# KiCad board panel.kicad_pcb
date: 2025-02-23; rev: v0.0.2
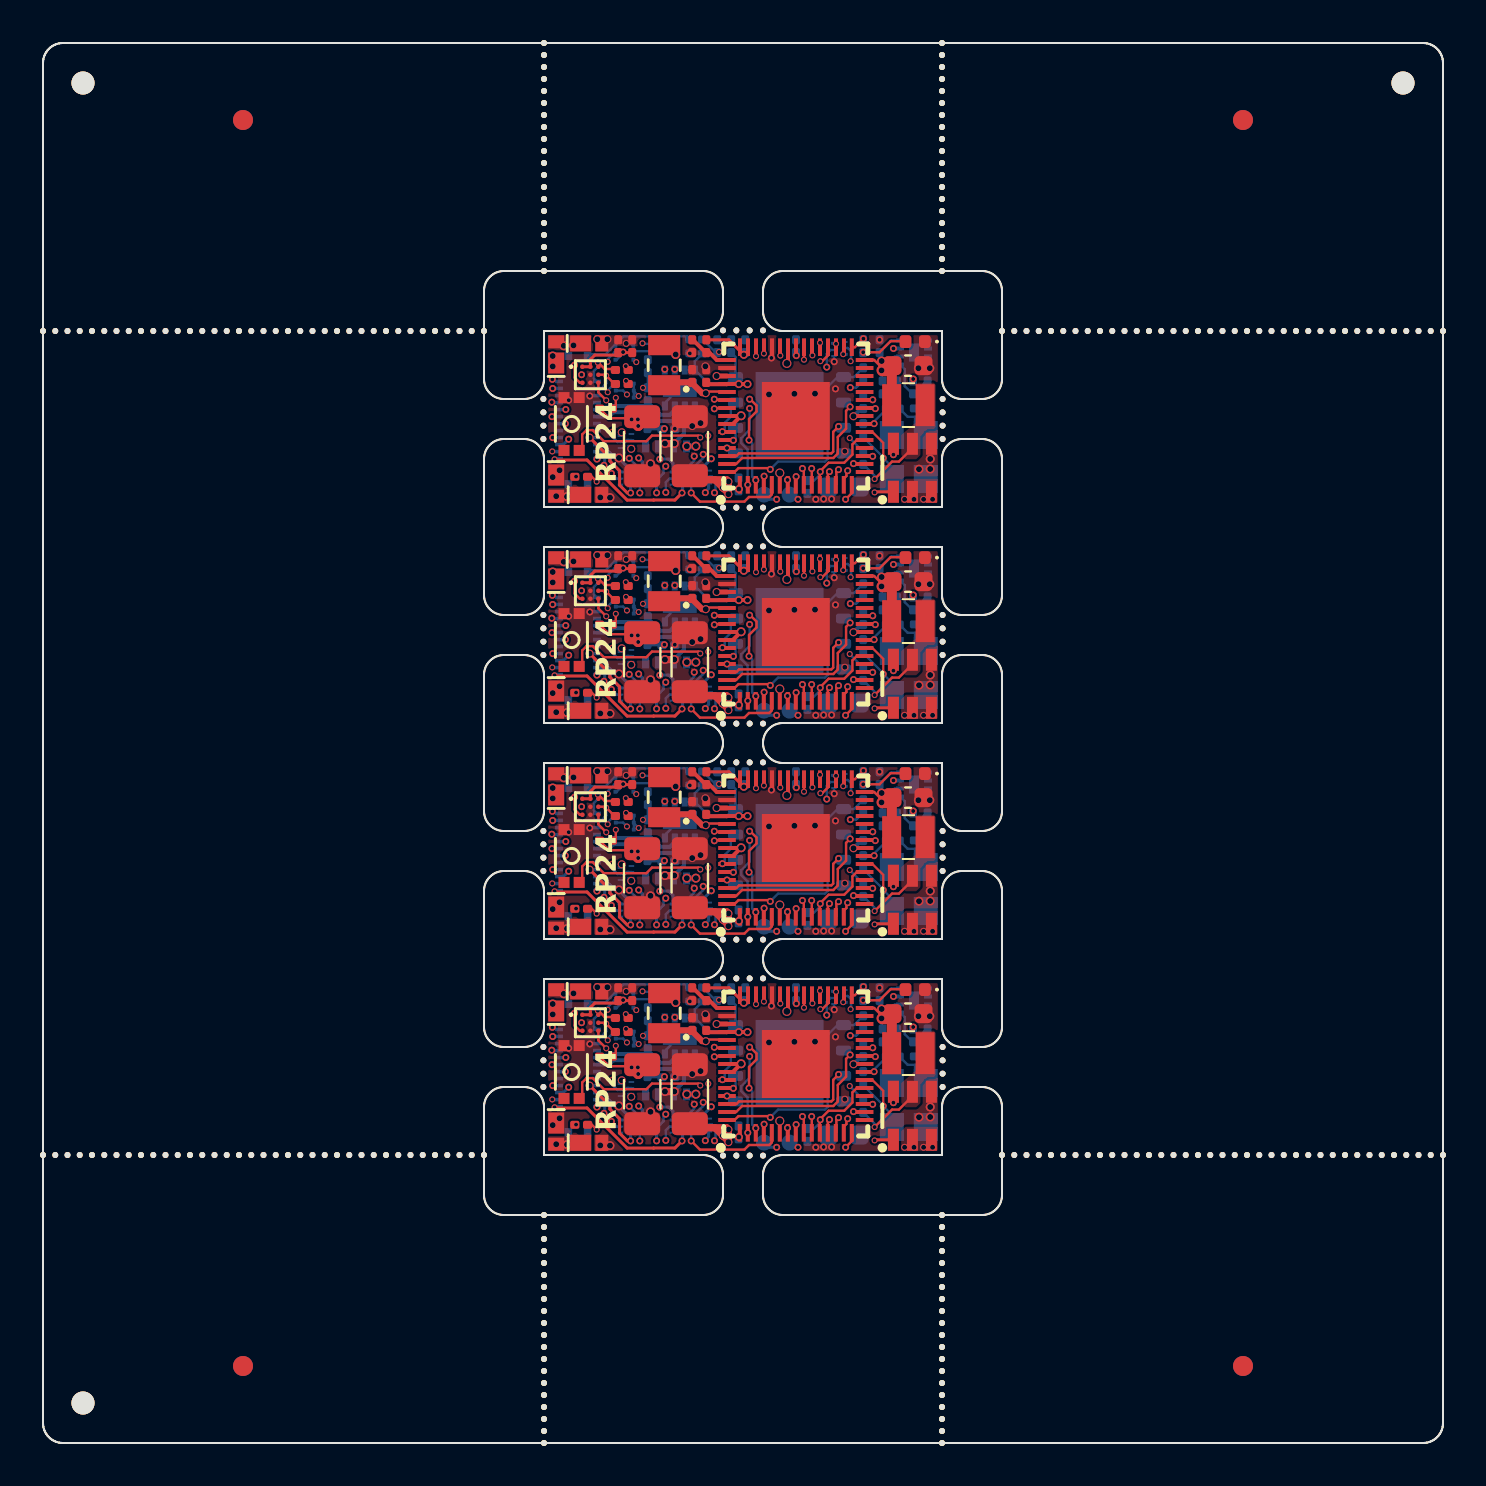
[diagram p0: board, top side]
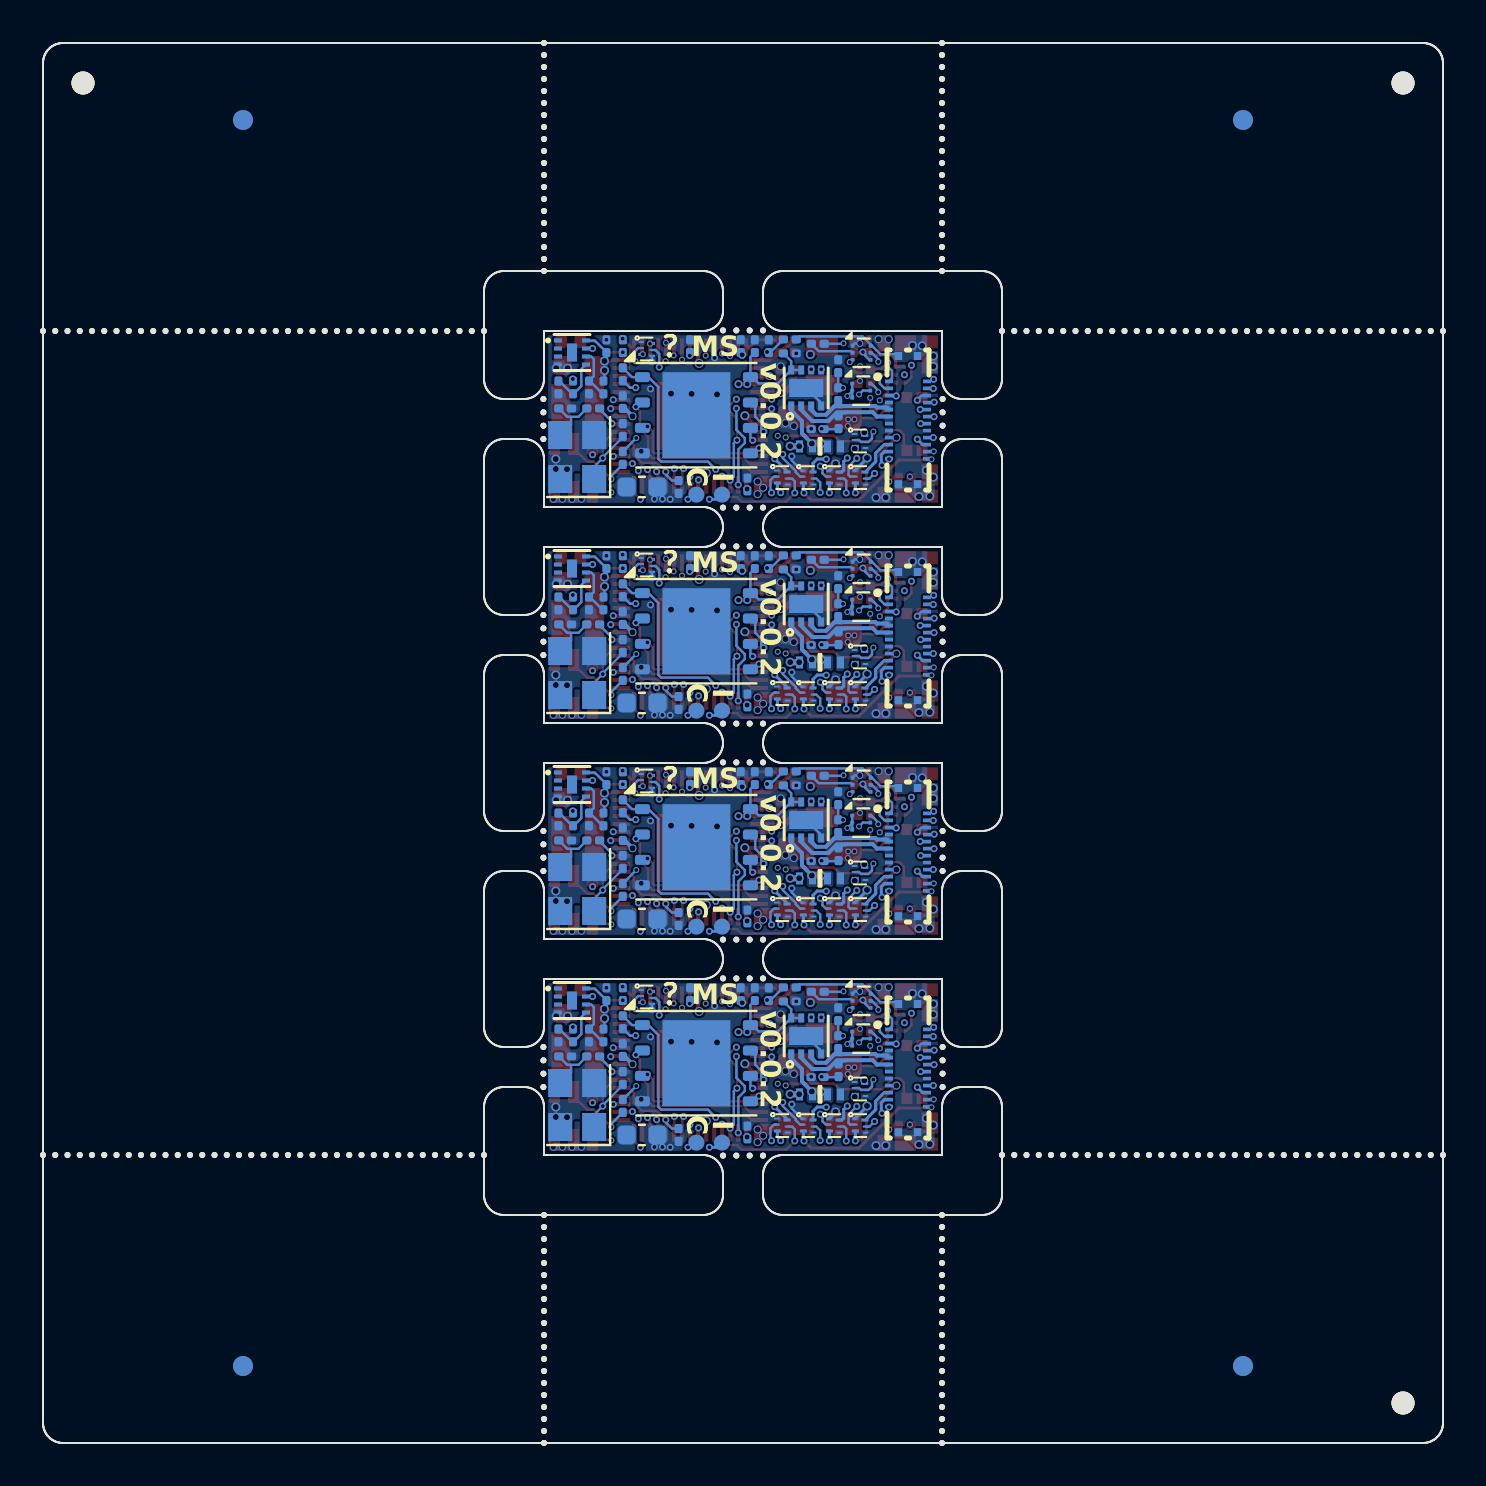
[diagram p1: board, bottom side, seen from below]

Outline 70 x 70 mm; copper layers: Top, In1.Cu, In2.Cu, In3.Cu, In4.Cu, Bottom. Coordinates in mm from the lower left corner of the outline.
Stack: Top 0.035mm / dielectric 0.1164mm JLC FR4 1x2116 er 4.16 / In1.Cu 0.0152mm / dielectric 0.13mm JLC Core er 4.6 / In2.Cu 0.0152mm / dielectric 0.2028mm JLC FR4 1x7628 er 4.4 / In3.Cu 0.0152mm / dielectric 0.13mm JLC Core er 4.6 / In4.Cu 0.0152mm / dielectric 0.1164mm JLC FR4 1x2116 er 4.16 / Bottom 0.035mm

## Placement (name value [footprint] x y rotation side)
C1  100nF  [C_0201_0603Metric]  41.83 22.44 270 bottom
C1#2  100nF  [C_0201_0603Metric]  41.83 44.04 270 bottom
C1#3  100nF  [C_0201_0603Metric]  41.83 33.24 270 bottom
C1#4  100nF  [C_0201_0603Metric]  41.83 54.84 270 bottom
C2  10uF  [C_0603_1608Metric]  40.05 15.4 180 bottom
C2#2  10uF  [C_0603_1608Metric]  40.05 26.2 180 bottom
C2#3  10uF  [C_0603_1608Metric]  40.05 37 180 bottom
C2#4  10uF  [C_0603_1608Metric]  40.05 47.8 180 bottom
C3  100nF  [C_0201_0603Metric]  34.41 44.04 90 bottom
C3#2  100nF  [C_0201_0603Metric]  34.41 22.44 90 bottom
C3#3  100nF  [C_0201_0603Metric]  34.41 33.24 90 bottom
C3#4  100nF  [C_0201_0603Metric]  34.41 54.84 90 bottom
C4  10pF  [C_0201_0603Metric]  43.89 40.93 180 bottom
C4#2  10pF  [C_0201_0603Metric]  43.89 30.13 180 bottom
C4#3  10pF  [C_0201_0603Metric]  43.89 51.73 180 bottom
C4#4  10pF  [C_0201_0603Metric]  43.89 19.33 180 bottom
C5  100nF  [C_0201_0603Metric]  41.01 27.65 270 bottom
C5#2  100nF  [C_0201_0603Metric]  41.01 38.45 270 bottom
C5#3  100nF  [C_0201_0603Metric]  41.01 16.85 270 bottom
C5#4  100nF  [C_0201_0603Metric]  41.01 49.25 270 bottom
C6  10pF  [C_0201_0603Metric]  41.01 39.85 90 bottom
C6#2  10pF  [C_0201_0603Metric]  41.01 18.25 90 bottom
C6#3  10pF  [C_0201_0603Metric]  41.01 50.65 90 bottom
C6#4  10pF  [C_0201_0603Metric]  41.01 29.05 90 bottom
C7  22uF  [C_0603_1608Metric]  43.25 32.27 0 top
C7#2  22uF  [C_0603_1608Metric]  43.25 21.47 0 top
C7#3  22uF  [C_0603_1608Metric]  43.25 43.07 0 top
C7#4  22uF  [C_0603_1608Metric]  43.25 53.87 0 top
C8  100uF  [C_1206_3216Metric]  29.96 39.04 270 top
C8#2  100uF  [C_1206_3216Metric]  29.96 49.84 270 top
C8#3  100uF  [C_1206_3216Metric]  29.96 17.44 270 top
C8#4  100uF  [C_1206_3216Metric]  29.96 28.24 270 top
C9  4.7uF  [C_0201_0603Metric]  32.46 20.95 90 top
C9#2  4.7uF  [C_0201_0603Metric]  32.46 42.55 90 top
C9#3  4.7uF  [C_0201_0603Metric]  32.46 53.35 90 top
C9#4  4.7uF  [C_0201_0603Metric]  32.46 31.75 90 top
C10  4.7uF  [C_0201_0603Metric]  33.16 53.35 270 top
C10#2  4.7uF  [C_0201_0603Metric]  33.16 20.95 270 top
C10#3  4.7uF  [C_0201_0603Metric]  33.16 31.75 270 top
C10#4  4.7uF  [C_0201_0603Metric]  33.16 42.55 270 top
C11  100nF  [C_0201_0603Metric]  41.01 30.44 90 bottom
C11#2  100nF  [C_0201_0603Metric]  41.01 19.64 90 bottom
C11#3  100nF  [C_0201_0603Metric]  41.01 41.24 90 bottom
C11#4  100nF  [C_0201_0603Metric]  41.01 52.04 90 bottom
C12  100nF  [C_0201_0603Metric]  37.65 33.24 90 bottom
C12#2  100nF  [C_0201_0603Metric]  37.65 54.84 90 bottom
C12#3  100nF  [C_0201_0603Metric]  37.65 22.44 90 bottom
C12#4  100nF  [C_0201_0603Metric]  37.65 44.04 90 bottom
C13  100nF  [C_0201_0603Metric]  34.78 15.53 90 bottom
C13#2  100nF  [C_0201_0603Metric]  34.78 37.13 90 bottom
C13#3  100nF  [C_0201_0603Metric]  34.78 26.33 90 bottom
C13#4  100nF  [C_0201_0603Metric]  34.78 47.93 90 bottom
C14  4.7uF  [C_0201_0603Metric]  32.46 22.44 270 top
C14#2  4.7uF  [C_0201_0603Metric]  32.46 44.04 270 top
C14#3  4.7uF  [C_0201_0603Metric]  32.46 54.84 270 top
C14#4  4.7uF  [C_0201_0603Metric]  32.46 33.24 270 top
C15  100nF  [C_0201_0603Metric]  35.11 33.24 90 bottom
C15#2  100nF  [C_0201_0603Metric]  35.11 44.04 90 bottom
C15#3  100nF  [C_0201_0603Metric]  35.11 54.84 90 bottom
C15#4  100nF  [C_0201_0603Metric]  35.11 22.44 90 bottom
C16  100nF  [C_0201_0603Metric]  38.22 15.4 270 bottom
C16#2  100nF  [C_0201_0603Metric]  38.22 26.2 270 bottom
C16#3  100nF  [C_0201_0603Metric]  38.22 37 270 bottom
C16#4  100nF  [C_0201_0603Metric]  38.22 47.8 270 bottom
C17  47uF  [C_1206_3216Metric]  32.34 49.84 90 top
C17#2  47uF  [C_1206_3216Metric]  32.34 17.44 90 top
C17#3  47uF  [C_1206_3216Metric]  32.34 28.24 90 top
C17#4  47uF  [C_1206_3216Metric]  32.34 39.04 90 top
C18  4.7uF  [C_0201_0603Metric]  28.76 44.04 90 top
C18#2  4.7uF  [C_0201_0603Metric]  28.76 54.84 90 top
C18#3  4.7uF  [C_0201_0603Metric]  28.76 33.24 90 top
C18#4  4.7uF  [C_0201_0603Metric]  28.76 22.44 90 top
C19  4.7uF  [C_0201_0603Metric]  29.46 54.84 90 top
C19#2  4.7uF  [C_0201_0603Metric]  29.46 44.04 90 top
C19#3  4.7uF  [C_0201_0603Metric]  29.46 33.24 90 top
C19#4  4.7uF  [C_0201_0603Metric]  29.46 22.44 90 top
C20  100nF  [C_0201_0603Metric]  32.66 32.88 180 bottom
C20#2  100nF  [C_0201_0603Metric]  32.66 43.68 180 bottom
C20#3  100nF  [C_0201_0603Metric]  32.66 54.48 180 bottom
C20#4  100nF  [C_0201_0603Metric]  32.66 22.08 180 bottom
D1  LMBR4020H3T5G  [U-DFN1608-2_L1.6-W0.8-RD]  27.31 54.98 0 top
D1#2  LMBR4020H3T5G  [U-DFN1608-2_L1.6-W0.8-RD]  27.31 44.18 0 top
D1#3  LMBR4020H3T5G  [U-DFN1608-2_L1.6-W0.8-RD]  27.31 33.38 0 top
D1#4  LMBR4020H3T5G  [U-DFN1608-2_L1.6-W0.8-RD]  27.31 22.58 0 top
D2  LMBR4020H3T5G  [U-DFN1608-2_L1.6-W0.8-RD]  27.31 25.81 0 top
D2#2  LMBR4020H3T5G  [U-DFN1608-2_L1.6-W0.8-RD]  27.31 15.01 0 top
D2#3  LMBR4020H3T5G  [U-DFN1608-2_L1.6-W0.8-RD]  27.31 36.61 0 top
D2#4  LMBR4020H3T5G  [U-DFN1608-2_L1.6-W0.8-RD]  27.31 47.41 0 top
D3  LMBR4020H3T5G  [U-DFN1608-2_L1.6-W0.8-RD]  25.66 32.83 90 top
D3#2  LMBR4020H3T5G  [U-DFN1608-2_L1.6-W0.8-RD]  25.66 54.43 90 top
D3#3  LMBR4020H3T5G  [U-DFN1608-2_L1.6-W0.8-RD]  25.66 22.03 90 top
D3#4  LMBR4020H3T5G  [U-DFN1608-2_L1.6-W0.8-RD]  25.66 43.63 90 top
D4  LMBR4020H3T5G  [U-DFN1608-2_L1.6-W0.8-RD]  25.66 47.97 270 top
D4#2  LMBR4020H3T5G  [U-DFN1608-2_L1.6-W0.8-RD]  25.66 26.37 270 top
D4#3  LMBR4020H3T5G  [U-DFN1608-2_L1.6-W0.8-RD]  25.66 15.57 270 top
D4#4  LMBR4020H3T5G  [U-DFN1608-2_L1.6-W0.8-RD]  25.66 37.17 270 top
D5  RB161QS-40  [DIO-SMD_L1.0-W0.6-P0.65-RD]  31.85 17.43 0 bottom
D5#2  RB161QS-40  [DIO-SMD_L1.0-W0.6-P0.65-RD]  31.85 28.23 0 bottom
D5#3  RB161QS-40  [DIO-SMD_L1.0-W0.6-P0.65-RD]  31.85 49.83 0 bottom
D5#4  RB161QS-40  [DIO-SMD_L1.0-W0.6-P0.65-RD]  31.85 39.03 0 bottom
D6  RB161QS-40  [DIO-SMD_L1.0-W0.6-P0.65-RD]  30.45 28.23 180 bottom
D6#2  RB161QS-40  [DIO-SMD_L1.0-W0.6-P0.65-RD]  30.45 49.83 180 bottom
D6#3  RB161QS-40  [DIO-SMD_L1.0-W0.6-P0.65-RD]  30.45 17.43 180 bottom
D6#4  RB161QS-40  [DIO-SMD_L1.0-W0.6-P0.65-RD]  30.45 39.03 180 bottom
D7  Blue LED  [LED_0402_1005Metric]  43.61 55.07 180 top
D7#2  Blue LED  [LED_0402_1005Metric]  43.61 33.47 180 top
D7#3  Blue LED  [LED_0402_1005Metric]  43.61 44.27 180 top
D7#4  Blue LED  [LED_0402_1005Metric]  43.61 22.67 180 top
J1  SWDIO  [Pogo Pad 0.8mm]  36.05 15.02 180 bottom
J1#2  SWDIO  [Pogo Pad 0.8mm]  36.05 36.62 180 bottom
J1#3  SWDIO  [Pogo Pad 0.8mm]  36.05 25.82 180 bottom
J1#4  SWDIO  [Pogo Pad 0.8mm]  36.05 47.42 180 bottom
J2  SWCLK  [Pogo Pad 0.8mm]  37.33 36.62 180 bottom
J2#2  SWCLK  [Pogo Pad 0.8mm]  37.33 25.82 180 bottom
J2#3  SWCLK  [Pogo Pad 0.8mm]  37.33 47.42 180 bottom
J2#4  SWCLK  [Pogo Pad 0.8mm]  37.33 15.02 180 bottom
J3  5052702412  [CONN-SMD_5052702412]  26.75 29.55 270 bottom
J3#2  5052702412  [CONN-SMD_5052702412]  26.75 51.15 270 bottom
J3#3  5052702412  [CONN-SMD_5052702412]  26.75 40.35 270 bottom
J3#4  5052702412  [CONN-SMD_5052702412]  26.75 18.75 270 bottom
KiKit_FID_B_1  -  [Fiducial]  10 66.15 180 bottom
KiKit_FID_B_2  -  [Fiducial]  60 66.15 180 bottom
KiKit_FID_B_3  -  [Fiducial]  10 3.85 180 bottom
KiKit_FID_B_4  -  [Fiducial]  60 3.85 180 bottom
KiKit_FID_T_1  -  [Fiducial]  10 66.15 0 top
KiKit_FID_T_2  -  [Fiducial]  60 66.15 0 top
KiKit_FID_T_3  -  [Fiducial]  10 3.85 0 top
KiKit_FID_T_4  -  [Fiducial]  60 3.85 0 top
KiKit_MB_1_1  -  [NPTH]  25.02 50.2 0 top
KiKit_MB_1_2  -  [NPTH]  25.02 50.87 0 top
KiKit_MB_1_3  -  [NPTH]  25.02 51.53 0 top
KiKit_MB_1_4  -  [NPTH]  25.02 52.2 0 top
KiKit_MB_2_1  -  [NPTH]  44.98 52.2 0 top
KiKit_MB_2_2  -  [NPTH]  44.98 51.53 0 top
KiKit_MB_2_3  -  [NPTH]  44.98 50.87 0 top
KiKit_MB_2_4  -  [NPTH]  44.98 50.2 0 top
KiKit_MB_3_1  -  [NPTH]  34 55.63 0 top
KiKit_MB_3_2  -  [NPTH]  34.67 55.63 0 top
KiKit_MB_3_3  -  [NPTH]  35.33 55.63 0 top
KiKit_MB_3_4  -  [NPTH]  36 55.63 0 top
KiKit_MB_4_1  -  [NPTH]  36 46.77 0 top
KiKit_MB_4_2  -  [NPTH]  35.33 46.77 0 top
KiKit_MB_4_3  -  [NPTH]  34.67 46.77 0 top
KiKit_MB_4_4  -  [NPTH]  34 46.77 0 top
KiKit_MB_5_1  -  [NPTH]  25.02 39.4 0 top
KiKit_MB_5_2  -  [NPTH]  25.02 40.07 0 top
KiKit_MB_5_3  -  [NPTH]  25.02 40.73 0 top
KiKit_MB_5_4  -  [NPTH]  25.02 41.4 0 top
KiKit_MB_6_1  -  [NPTH]  44.98 41.4 0 top
KiKit_MB_6_2  -  [NPTH]  44.98 40.73 0 top
KiKit_MB_6_3  -  [NPTH]  44.98 40.07 0 top
KiKit_MB_6_4  -  [NPTH]  44.98 39.4 0 top
KiKit_MB_7_1  -  [NPTH]  34 44.83 0 top
KiKit_MB_7_2  -  [NPTH]  34.67 44.83 0 top
KiKit_MB_7_3  -  [NPTH]  35.33 44.83 0 top
KiKit_MB_7_4  -  [NPTH]  36 44.83 0 top
KiKit_MB_8_1  -  [NPTH]  36 35.97 0 top
KiKit_MB_8_2  -  [NPTH]  35.33 35.97 0 top
KiKit_MB_8_3  -  [NPTH]  34.67 35.97 0 top
KiKit_MB_8_4  -  [NPTH]  34 35.97 0 top
KiKit_MB_9_1  -  [NPTH]  25.02 28.6 0 top
KiKit_MB_9_2  -  [NPTH]  25.02 29.27 0 top
KiKit_MB_9_3  -  [NPTH]  25.02 29.93 0 top
KiKit_MB_9_4  -  [NPTH]  25.02 30.6 0 top
KiKit_MB_10_1  -  [NPTH]  44.98 30.6 0 top
KiKit_MB_10_2  -  [NPTH]  44.98 29.93 0 top
KiKit_MB_10_3  -  [NPTH]  44.98 29.27 0 top
KiKit_MB_10_4  -  [NPTH]  44.98 28.6 0 top
KiKit_MB_11_1  -  [NPTH]  34 34.03 0 top
KiKit_MB_11_2  -  [NPTH]  34.67 34.03 0 top
KiKit_MB_11_3  -  [NPTH]  35.33 34.03 0 top
KiKit_MB_11_4  -  [NPTH]  36 34.03 0 top
KiKit_MB_12_1  -  [NPTH]  36 25.17 0 top
KiKit_MB_12_2  -  [NPTH]  35.33 25.17 0 top
KiKit_MB_12_3  -  [NPTH]  34.67 25.17 0 top
KiKit_MB_12_4  -  [NPTH]  34 25.17 0 top
KiKit_MB_13_1  -  [NPTH]  25.02 17.8 0 top
KiKit_MB_13_2  -  [NPTH]  25.02 18.47 0 top
KiKit_MB_13_3  -  [NPTH]  25.02 19.13 0 top
KiKit_MB_13_4  -  [NPTH]  25.02 19.8 0 top
KiKit_MB_14_1  -  [NPTH]  44.98 19.8 0 top
KiKit_MB_14_2  -  [NPTH]  44.98 19.13 0 top
KiKit_MB_14_3  -  [NPTH]  44.98 18.47 0 top
KiKit_MB_14_4  -  [NPTH]  44.98 17.8 0 top
KiKit_MB_15_1  -  [NPTH]  34 23.23 0 top
KiKit_MB_15_2  -  [NPTH]  34.67 23.23 0 top
KiKit_MB_15_3  -  [NPTH]  35.33 23.23 0 top
KiKit_MB_15_4  -  [NPTH]  36 23.23 0 top
KiKit_MB_16_1  -  [NPTH]  36 14.37 0 top
KiKit_MB_16_2  -  [NPTH]  35.33 14.37 0 top
KiKit_MB_16_3  -  [NPTH]  34.67 14.37 0 top
KiKit_MB_16_4  -  [NPTH]  34 14.37 0 top
KiKit_MB_17_1  -  [NPTH]  25.05 70 0 top
KiKit_MB_17_2  -  [NPTH]  25.05 69.4 0 top
KiKit_MB_17_3  -  [NPTH]  25.05 68.8 0 top
KiKit_MB_17_4  -  [NPTH]  25.05 68.2 0 top
KiKit_MB_17_5  -  [NPTH]  25.05 67.6 0 top
KiKit_MB_17_6  -  [NPTH]  25.05 67 0 top
KiKit_MB_17_7  -  [NPTH]  25.05 66.4 0 top
KiKit_MB_17_8  -  [NPTH]  25.05 65.8 0 top
KiKit_MB_17_9  -  [NPTH]  25.05 65.2 0 top
KiKit_MB_17_10  -  [NPTH]  25.05 64.6 0 top
KiKit_MB_17_11  -  [NPTH]  25.05 64 0 top
KiKit_MB_17_12  -  [NPTH]  25.05 63.4 0 top
KiKit_MB_17_13  -  [NPTH]  25.05 62.8 0 top
KiKit_MB_17_14  -  [NPTH]  25.05 62.2 0 top
KiKit_MB_17_15  -  [NPTH]  25.05 61.6 0 top
KiKit_MB_17_16  -  [NPTH]  25.05 61 0 top
KiKit_MB_17_17  -  [NPTH]  25.05 60.4 0 top
KiKit_MB_17_18  -  [NPTH]  25.05 59.8 0 top
KiKit_MB_17_19  -  [NPTH]  25.05 59.2 0 top
KiKit_MB_17_20  -  [NPTH]  25.05 58.6 0 top
KiKit_MB_18_1  -  [NPTH]  44.95 70 0 top
KiKit_MB_18_2  -  [NPTH]  44.95 69.4 0 top
KiKit_MB_18_3  -  [NPTH]  44.95 68.8 0 top
KiKit_MB_18_4  -  [NPTH]  44.95 68.2 0 top
KiKit_MB_18_5  -  [NPTH]  44.95 67.6 0 top
KiKit_MB_18_6  -  [NPTH]  44.95 67 0 top
KiKit_MB_18_7  -  [NPTH]  44.95 66.4 0 top
KiKit_MB_18_8  -  [NPTH]  44.95 65.8 0 top
KiKit_MB_18_9  -  [NPTH]  44.95 65.2 0 top
KiKit_MB_18_10  -  [NPTH]  44.95 64.6 0 top
KiKit_MB_18_11  -  [NPTH]  44.95 64 0 top
KiKit_MB_18_12  -  [NPTH]  44.95 63.4 0 top
KiKit_MB_18_13  -  [NPTH]  44.95 62.8 0 top
KiKit_MB_18_14  -  [NPTH]  44.95 62.2 0 top
KiKit_MB_18_15  -  [NPTH]  44.95 61.6 0 top
KiKit_MB_18_16  -  [NPTH]  44.95 61 0 top
KiKit_MB_18_17  -  [NPTH]  44.95 60.4 0 top
KiKit_MB_18_18  -  [NPTH]  44.95 59.8 0 top
KiKit_MB_18_19  -  [NPTH]  44.95 59.2 0 top
KiKit_MB_18_20  -  [NPTH]  44.95 58.6 0 top
KiKit_MB_19_1  -  [NPTH]  25.05 11.4 0 top
KiKit_MB_19_2  -  [NPTH]  25.05 10.8 0 top
KiKit_MB_19_3  -  [NPTH]  25.05 10.2 0 top
KiKit_MB_19_4  -  [NPTH]  25.05 9.6 0 top
KiKit_MB_19_5  -  [NPTH]  25.05 9 0 top
KiKit_MB_19_6  -  [NPTH]  25.05 8.4 0 top
KiKit_MB_19_7  -  [NPTH]  25.05 7.8 0 top
KiKit_MB_19_8  -  [NPTH]  25.05 7.2 0 top
KiKit_MB_19_9  -  [NPTH]  25.05 6.6 0 top
KiKit_MB_19_10  -  [NPTH]  25.05 6 0 top
KiKit_MB_19_11  -  [NPTH]  25.05 5.4 0 top
KiKit_MB_19_12  -  [NPTH]  25.05 4.8 0 top
KiKit_MB_19_13  -  [NPTH]  25.05 4.2 0 top
KiKit_MB_19_14  -  [NPTH]  25.05 3.6 0 top
KiKit_MB_19_15  -  [NPTH]  25.05 3 0 top
KiKit_MB_19_16  -  [NPTH]  25.05 2.4 0 top
KiKit_MB_19_17  -  [NPTH]  25.05 1.8 0 top
KiKit_MB_19_18  -  [NPTH]  25.05 1.2 0 top
KiKit_MB_19_19  -  [NPTH]  25.05 0.6 0 top
KiKit_MB_19_20  -  [NPTH]  25.05 0 0 top
KiKit_MB_20_1  -  [NPTH]  44.95 11.4 0 top
KiKit_MB_20_2  -  [NPTH]  44.95 10.8 0 top
KiKit_MB_20_3  -  [NPTH]  44.95 10.2 0 top
KiKit_MB_20_4  -  [NPTH]  44.95 9.6 0 top
KiKit_MB_20_5  -  [NPTH]  44.95 9 0 top
KiKit_MB_20_6  -  [NPTH]  44.95 8.4 0 top
KiKit_MB_20_7  -  [NPTH]  44.95 7.8 0 top
KiKit_MB_20_8  -  [NPTH]  44.95 7.2 0 top
KiKit_MB_20_9  -  [NPTH]  44.95 6.6 0 top
KiKit_MB_20_10  -  [NPTH]  44.95 6 0 top
KiKit_MB_20_11  -  [NPTH]  44.95 5.4 0 top
KiKit_MB_20_12  -  [NPTH]  44.95 4.8 0 top
KiKit_MB_20_13  -  [NPTH]  44.95 4.2 0 top
KiKit_MB_20_14  -  [NPTH]  44.95 3.6 0 top
KiKit_MB_20_15  -  [NPTH]  44.95 3 0 top
KiKit_MB_20_16  -  [NPTH]  44.95 2.4 0 top
KiKit_MB_20_17  -  [NPTH]  44.95 1.8 0 top
KiKit_MB_20_18  -  [NPTH]  44.95 1.2 0 top
KiKit_MB_20_19  -  [NPTH]  44.95 0.6 0 top
KiKit_MB_20_20  -  [NPTH]  44.95 0 0 top
KiKit_MB_21_1  -  [NPTH]  0 55.6 0 top
KiKit_MB_21_2  -  [NPTH]  0.61 55.6 0 top
KiKit_MB_21_3  -  [NPTH]  1.22 55.6 0 top
KiKit_MB_21_4  -  [NPTH]  1.84 55.6 0 top
KiKit_MB_21_5  -  [NPTH]  2.45 55.6 0 top
KiKit_MB_21_6  -  [NPTH]  3.06 55.6 0 top
KiKit_MB_21_7  -  [NPTH]  3.67 55.6 0 top
KiKit_MB_21_8  -  [NPTH]  4.29 55.6 0 top
KiKit_MB_21_9  -  [NPTH]  4.9 55.6 0 top
KiKit_MB_21_10  -  [NPTH]  5.51 55.6 0 top
KiKit_MB_21_11  -  [NPTH]  6.12 55.6 0 top
KiKit_MB_21_12  -  [NPTH]  6.74 55.6 0 top
KiKit_MB_21_13  -  [NPTH]  7.35 55.6 0 top
KiKit_MB_21_14  -  [NPTH]  7.96 55.6 0 top
KiKit_MB_21_15  -  [NPTH]  8.58 55.6 0 top
KiKit_MB_21_16  -  [NPTH]  9.19 55.6 0 top
KiKit_MB_21_17  -  [NPTH]  9.8 55.6 0 top
KiKit_MB_21_18  -  [NPTH]  10.41 55.6 0 top
KiKit_MB_21_19  -  [NPTH]  11.03 55.6 0 top
KiKit_MB_21_20  -  [NPTH]  11.64 55.6 0 top
KiKit_MB_21_21  -  [NPTH]  12.25 55.6 0 top
KiKit_MB_21_22  -  [NPTH]  12.86 55.6 0 top
KiKit_MB_21_23  -  [NPTH]  13.47 55.6 0 top
KiKit_MB_21_24  -  [NPTH]  14.09 55.6 0 top
KiKit_MB_21_25  -  [NPTH]  14.7 55.6 0 top
KiKit_MB_21_26  -  [NPTH]  15.31 55.6 0 top
KiKit_MB_21_27  -  [NPTH]  15.93 55.6 0 top
KiKit_MB_21_28  -  [NPTH]  16.54 55.6 0 top
KiKit_MB_21_29  -  [NPTH]  17.15 55.6 0 top
KiKit_MB_21_30  -  [NPTH]  17.76 55.6 0 top
KiKit_MB_21_31  -  [NPTH]  18.38 55.6 0 top
KiKit_MB_21_32  -  [NPTH]  18.99 55.6 0 top
KiKit_MB_21_33  -  [NPTH]  19.6 55.6 0 top
KiKit_MB_21_34  -  [NPTH]  20.21 55.6 0 top
KiKit_MB_21_35  -  [NPTH]  20.82 55.6 0 top
KiKit_MB_21_36  -  [NPTH]  21.44 55.6 0 top
KiKit_MB_21_37  -  [NPTH]  22.05 55.6 0 top
KiKit_MB_22_1  -  [NPTH]  0 14.4 0 top
KiKit_MB_22_2  -  [NPTH]  0.61 14.4 0 top
KiKit_MB_22_3  -  [NPTH]  1.22 14.4 0 top
KiKit_MB_22_4  -  [NPTH]  1.84 14.4 0 top
KiKit_MB_22_5  -  [NPTH]  2.45 14.4 0 top
KiKit_MB_22_6  -  [NPTH]  3.06 14.4 0 top
KiKit_MB_22_7  -  [NPTH]  3.67 14.4 0 top
KiKit_MB_22_8  -  [NPTH]  4.29 14.4 0 top
KiKit_MB_22_9  -  [NPTH]  4.9 14.4 0 top
KiKit_MB_22_10  -  [NPTH]  5.51 14.4 0 top
KiKit_MB_22_11  -  [NPTH]  6.12 14.4 0 top
KiKit_MB_22_12  -  [NPTH]  6.74 14.4 0 top
KiKit_MB_22_13  -  [NPTH]  7.35 14.4 0 top
KiKit_MB_22_14  -  [NPTH]  7.96 14.4 0 top
KiKit_MB_22_15  -  [NPTH]  8.58 14.4 0 top
KiKit_MB_22_16  -  [NPTH]  9.19 14.4 0 top
KiKit_MB_22_17  -  [NPTH]  9.8 14.4 0 top
KiKit_MB_22_18  -  [NPTH]  10.41 14.4 0 top
KiKit_MB_22_19  -  [NPTH]  11.03 14.4 0 top
KiKit_MB_22_20  -  [NPTH]  11.64 14.4 0 top
KiKit_MB_22_21  -  [NPTH]  12.25 14.4 0 top
KiKit_MB_22_22  -  [NPTH]  12.86 14.4 0 top
KiKit_MB_22_23  -  [NPTH]  13.47 14.4 0 top
KiKit_MB_22_24  -  [NPTH]  14.09 14.4 0 top
KiKit_MB_22_25  -  [NPTH]  14.7 14.4 0 top
KiKit_MB_22_26  -  [NPTH]  15.31 14.4 0 top
KiKit_MB_22_27  -  [NPTH]  15.93 14.4 0 top
KiKit_MB_22_28  -  [NPTH]  16.54 14.4 0 top
KiKit_MB_22_29  -  [NPTH]  17.15 14.4 0 top
KiKit_MB_22_30  -  [NPTH]  17.76 14.4 0 top
KiKit_MB_22_31  -  [NPTH]  18.38 14.4 0 top
KiKit_MB_22_32  -  [NPTH]  18.99 14.4 0 top
KiKit_MB_22_33  -  [NPTH]  19.6 14.4 0 top
KiKit_MB_22_34  -  [NPTH]  20.21 14.4 0 top
KiKit_MB_22_35  -  [NPTH]  20.82 14.4 0 top
KiKit_MB_22_36  -  [NPTH]  21.44 14.4 0 top
KiKit_MB_22_37  -  [NPTH]  22.05 14.4 0 top
KiKit_MB_23_1  -  [NPTH]  47.95 55.6 0 top
KiKit_MB_23_2  -  [NPTH]  48.56 55.6 0 top
KiKit_MB_23_3  -  [NPTH]  49.18 55.6 0 top
KiKit_MB_23_4  -  [NPTH]  49.79 55.6 0 top
KiKit_MB_23_5  -  [NPTH]  50.4 55.6 0 top
KiKit_MB_23_6  -  [NPTH]  51.01 55.6 0 top
KiKit_MB_23_7  -  [NPTH]  51.62 55.6 0 top
KiKit_MB_23_8  -  [NPTH]  52.24 55.6 0 top
KiKit_MB_23_9  -  [NPTH]  52.85 55.6 0 top
KiKit_MB_23_10  -  [NPTH]  53.46 55.6 0 top
KiKit_MB_23_11  -  [NPTH]  54.07 55.6 0 top
KiKit_MB_23_12  -  [NPTH]  54.69 55.6 0 top
KiKit_MB_23_13  -  [NPTH]  55.3 55.6 0 top
KiKit_MB_23_14  -  [NPTH]  55.91 55.6 0 top
KiKit_MB_23_15  -  [NPTH]  56.53 55.6 0 top
KiKit_MB_23_16  -  [NPTH]  57.14 55.6 0 top
KiKit_MB_23_17  -  [NPTH]  57.75 55.6 0 top
KiKit_MB_23_18  -  [NPTH]  58.36 55.6 0 top
KiKit_MB_23_19  -  [NPTH]  58.97 55.6 0 top
KiKit_MB_23_20  -  [NPTH]  59.59 55.6 0 top
KiKit_MB_23_21  -  [NPTH]  60.2 55.6 0 top
KiKit_MB_23_22  -  [NPTH]  60.81 55.6 0 top
KiKit_MB_23_23  -  [NPTH]  61.43 55.6 0 top
KiKit_MB_23_24  -  [NPTH]  62.04 55.6 0 top
KiKit_MB_23_25  -  [NPTH]  62.65 55.6 0 top
KiKit_MB_23_26  -  [NPTH]  63.26 55.6 0 top
KiKit_MB_23_27  -  [NPTH]  63.88 55.6 0 top
KiKit_MB_23_28  -  [NPTH]  64.49 55.6 0 top
KiKit_MB_23_29  -  [NPTH]  65.1 55.6 0 top
KiKit_MB_23_30  -  [NPTH]  65.71 55.6 0 top
KiKit_MB_23_31  -  [NPTH]  66.32 55.6 0 top
KiKit_MB_23_32  -  [NPTH]  66.94 55.6 0 top
KiKit_MB_23_33  -  [NPTH]  67.55 55.6 0 top
KiKit_MB_23_34  -  [NPTH]  68.16 55.6 0 top
KiKit_MB_23_35  -  [NPTH]  68.78 55.6 0 top
KiKit_MB_23_36  -  [NPTH]  69.39 55.6 0 top
KiKit_MB_23_37  -  [NPTH]  70 55.6 0 top
KiKit_MB_24_1  -  [NPTH]  47.95 14.4 0 top
KiKit_MB_24_2  -  [NPTH]  48.56 14.4 0 top
KiKit_MB_24_3  -  [NPTH]  49.18 14.4 0 top
KiKit_MB_24_4  -  [NPTH]  49.79 14.4 0 top
KiKit_MB_24_5  -  [NPTH]  50.4 14.4 0 top
KiKit_MB_24_6  -  [NPTH]  51.01 14.4 0 top
KiKit_MB_24_7  -  [NPTH]  51.62 14.4 0 top
KiKit_MB_24_8  -  [NPTH]  52.24 14.4 0 top
KiKit_MB_24_9  -  [NPTH]  52.85 14.4 0 top
KiKit_MB_24_10  -  [NPTH]  53.46 14.4 0 top
KiKit_MB_24_11  -  [NPTH]  54.07 14.4 0 top
KiKit_MB_24_12  -  [NPTH]  54.69 14.4 0 top
KiKit_MB_24_13  -  [NPTH]  55.3 14.4 0 top
KiKit_MB_24_14  -  [NPTH]  55.91 14.4 0 top
KiKit_MB_24_15  -  [NPTH]  56.53 14.4 0 top
KiKit_MB_24_16  -  [NPTH]  57.14 14.4 0 top
KiKit_MB_24_17  -  [NPTH]  57.75 14.4 0 top
KiKit_MB_24_18  -  [NPTH]  58.36 14.4 0 top
KiKit_MB_24_19  -  [NPTH]  58.97 14.4 0 top
KiKit_MB_24_20  -  [NPTH]  59.59 14.4 0 top
KiKit_MB_24_21  -  [NPTH]  60.2 14.4 0 top
KiKit_MB_24_22  -  [NPTH]  60.81 14.4 0 top
KiKit_MB_24_23  -  [NPTH]  61.43 14.4 0 top
KiKit_MB_24_24  -  [NPTH]  62.04 14.4 0 top
KiKit_MB_24_25  -  [NPTH]  62.65 14.4 0 top
KiKit_MB_24_26  -  [NPTH]  63.26 14.4 0 top
KiKit_MB_24_27  -  [NPTH]  63.88 14.4 0 top
KiKit_MB_24_28  -  [NPTH]  64.49 14.4 0 top
KiKit_MB_24_29  -  [NPTH]  65.1 14.4 0 top
KiKit_MB_24_30  -  [NPTH]  65.71 14.4 0 top
KiKit_MB_24_31  -  [NPTH]  66.32 14.4 0 top
KiKit_MB_24_32  -  [NPTH]  66.94 14.4 0 top
KiKit_MB_24_33  -  [NPTH]  67.55 14.4 0 top
KiKit_MB_24_34  -  [NPTH]  68.16 14.4 0 top
KiKit_MB_24_35  -  [NPTH]  68.78 14.4 0 top
KiKit_MB_24_36  -  [NPTH]  69.39 14.4 0 top
KiKit_MB_24_37  -  [NPTH]  70 14.4 0 top
KiKit_TO_1  -  [NPTH#2]  2 68 0 top
KiKit_TO_2  -  [NPTH#2]  68 68 0 top
KiKit_TO_3  -  [NPTH#2]  2 2 0 top
L1  4.7uH  [IND-SMD_L2.5-W2.0-VLS252012CX-150M]  43.27 30.29 180 top
L1#2  4.7uH  [IND-SMD_L2.5-W2.0-VLS252012CX-150M]  43.27 41.09 180 top
L1#3  4.7uH  [IND-SMD_L2.5-W2.0-VLS252012CX-150M]  43.27 19.49 180 top
L1#4  4.7uH  [IND-SMD_L2.5-W2.0-VLS252012CX-150M]  43.27 51.89 180 top
L2  3.3uH  [IND-SMD_L2.0-W1.6_AOTA-B201610S3R3-101-T]  31.06 53.89 270 top
L2#2  3.3uH  [IND-SMD_L2.0-W1.6_AOTA-B201610S3R3-101-T]  31.06 32.29 270 top
L2#3  3.3uH  [IND-SMD_L2.0-W1.6_AOTA-B201610S3R3-101-T]  31.06 43.09 270 top
L2#4  3.3uH  [IND-SMD_L2.0-W1.6_AOTA-B201610S3R3-101-T]  31.06 21.49 270 top